# Altium PCB novena_evt1_a.PcbDoc (part 5 of 12) (continued)
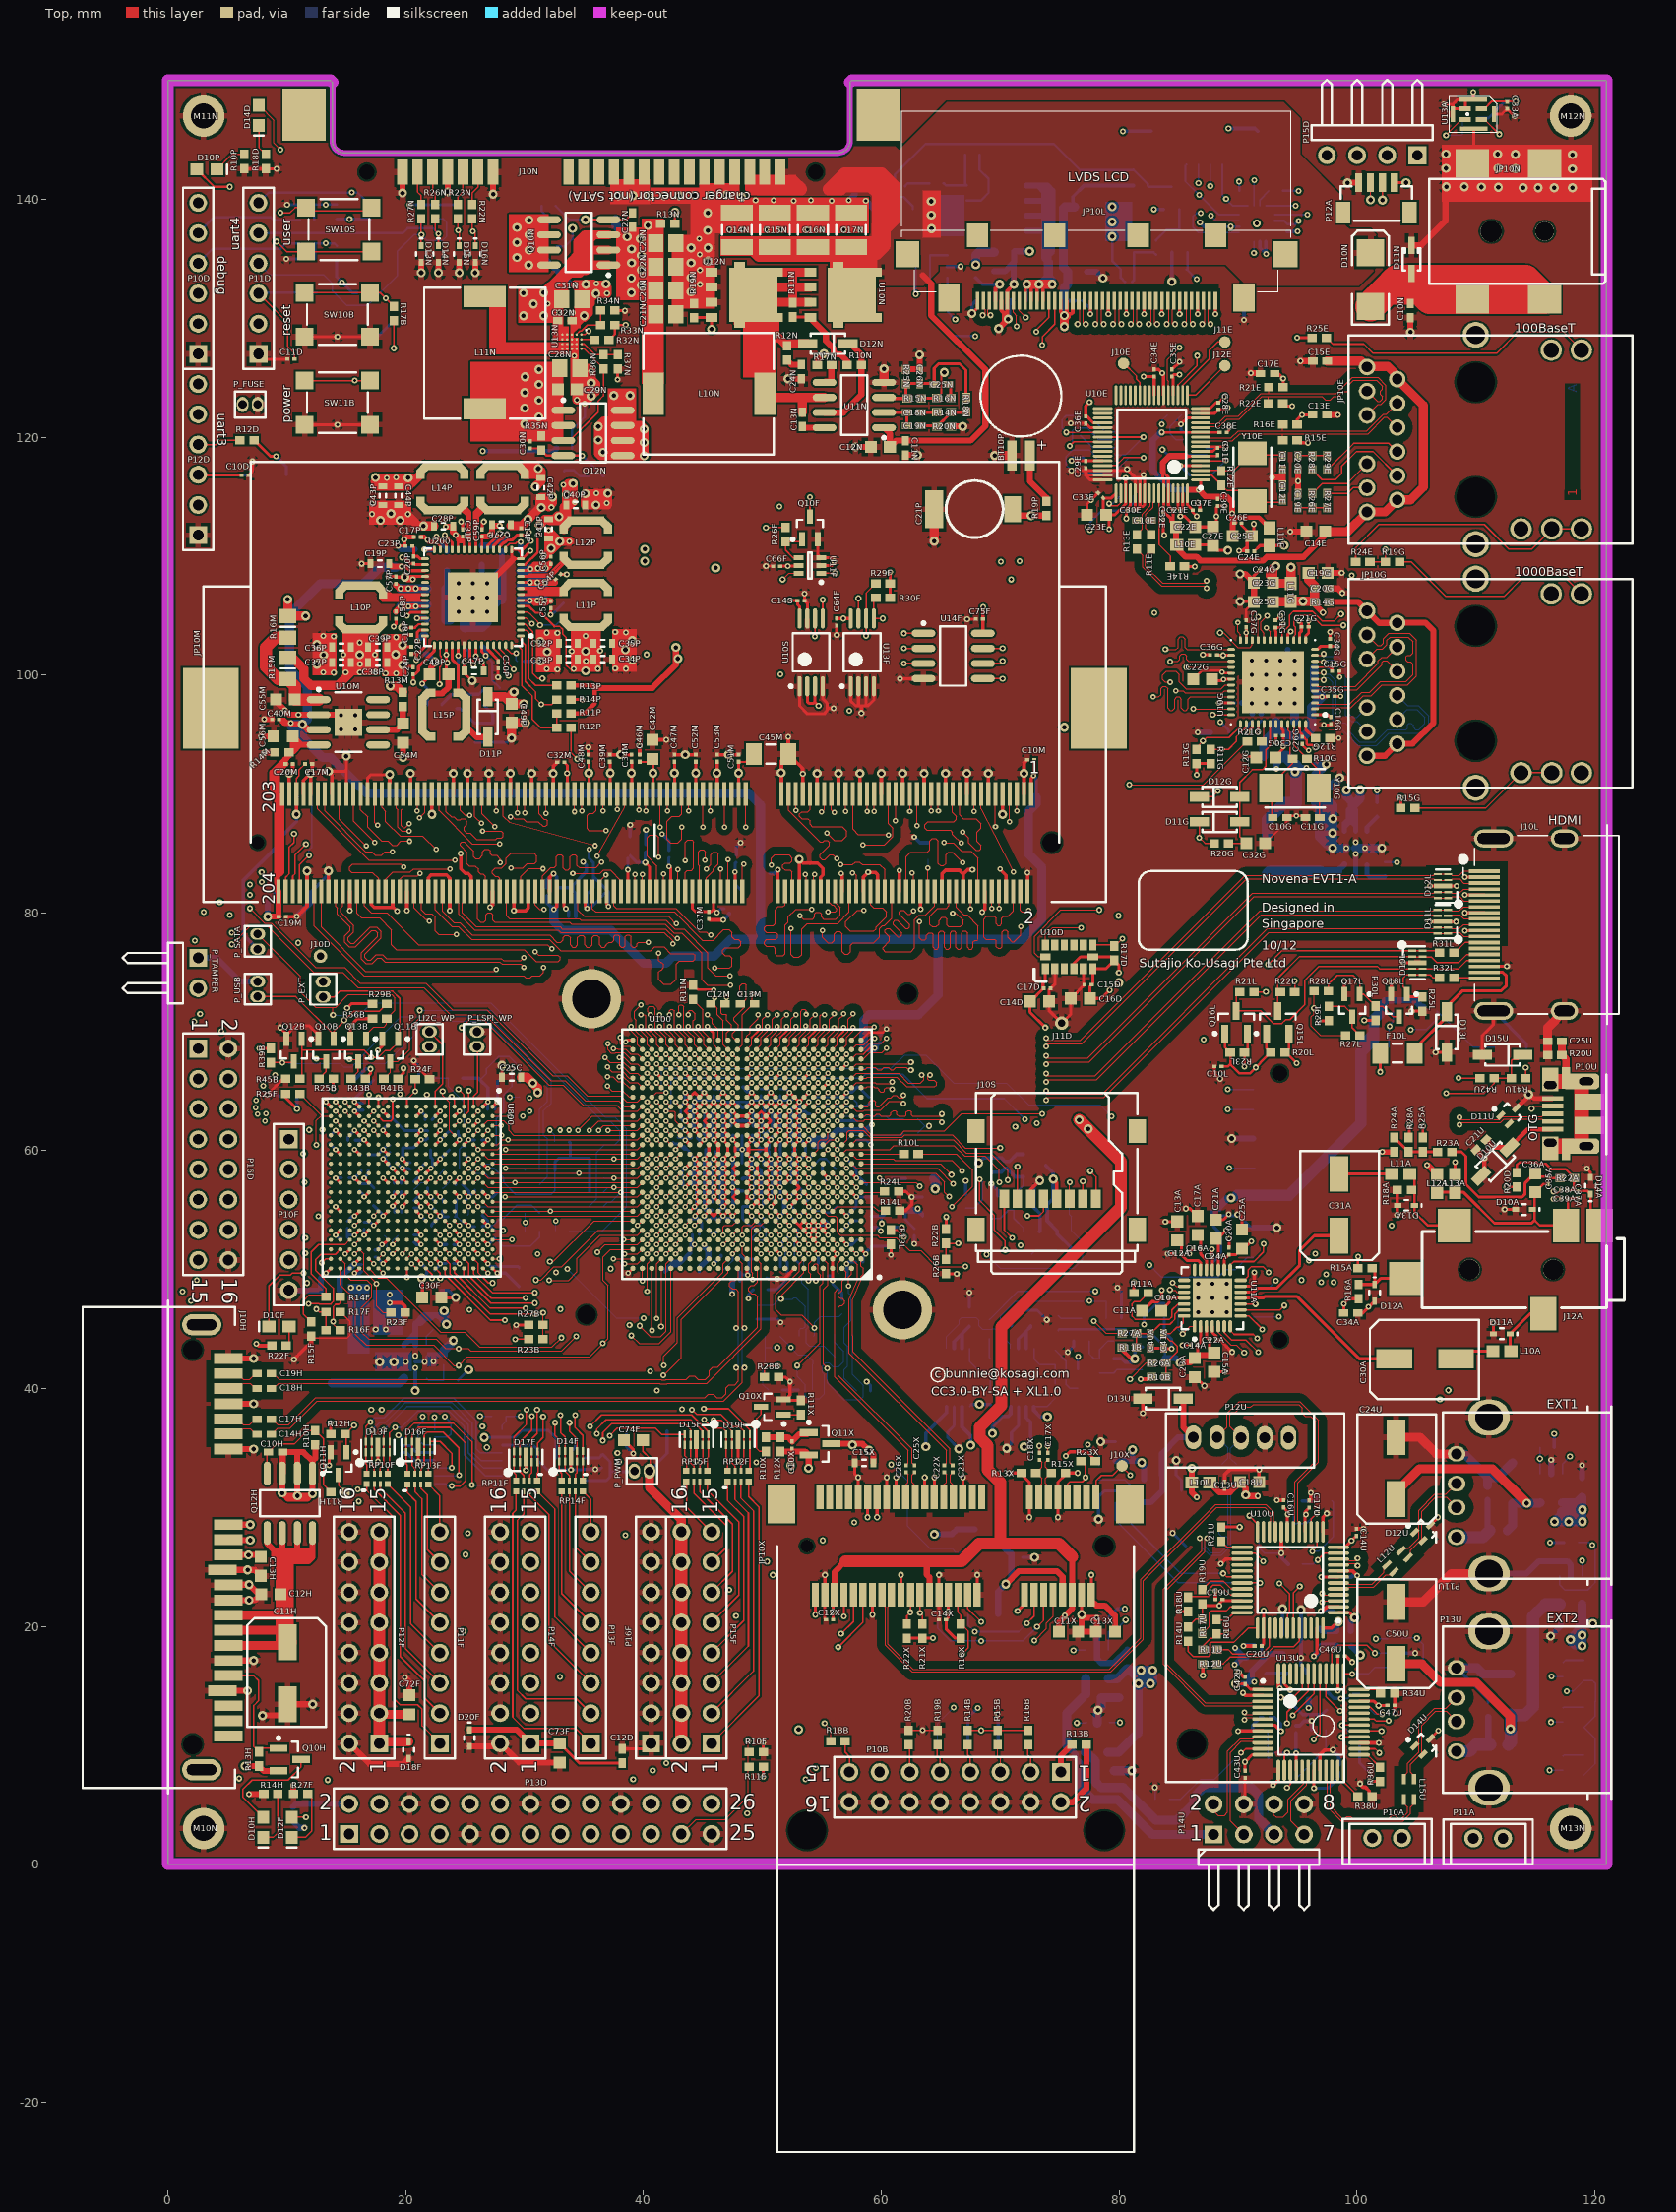
[diagram p0: Top view]
## Nets (pads, with @x,y where several pads share a name; then routed paths per layer and width w, separated by ;. In a path a pad name is that pad's centre, name@x,y a point inside that pad or via, vN(x,y) a via of type N, cw(c..) or ccw(c..) an arc to the next point about the centre after c; other vN are vias at no path point) (continued)
DDR3_D42: JP10M.157 U100.AB21 | length 40.8
  Top w0.096: JP10M.157@23.402,90.014 23.402,88.503 23.85,88.055 24.07,88.055 24.297,87.828 24.588,87.828 24.662,87.902 24.953,87.902 25.147,87.708 25.147,87.417 24.922,87.192 24.922,86.902 25.116,86.708 25.417,86.708 25.975,86.15 27.575,86.15 27.7,86.275 28.05,86.275 28.175,86.4 28.175,86.7 28.021,86.854 v2(26.474,86.854) ; v2(41.9,67.3) U100.AB21@42.3,66.9
  L4 w0.096: v2(26.474,86.854) 26.474,86.067 27.541,85 27.541,83.409 31.65,79.3 36.746,79.3 36.964,79.082 36.964,78.701 40.19,75.475 40.19,72.071 39.987,71.868 39.656,71.868 39.617,71.829 39.614,71.829 39.377,71.592 39.377,71.131 39.58,70.928 39.91,70.928 40.19,70.649 40.19,70.192 41.511,68.871 41.511,67.931 41.9,67.542 v2(41.9,67.3)
DDR3_D43: JP10M.159 U100.AA20 | length 40.9
  Top w0.096: 22.802,88.556 22.802,88.596 ; JP10M.159@22.802,90.014 22.802,88.596 ; v2(27.922,85.813) 25.585,85.813 22.802,88.596 ; v2(42.7,66.5) U100.AA20@43.1,66.1
  L4 w0.096: v2(27.922,85.813) 31.935,81.799 38.101,81.799 40.075,79.825 42.952,79.825 44.975,77.802 44.975,70.375 43.919,68.31 43.919,67.98 43.658,67.719 43.382,67.719 43.343,67.681 43.342,67.681 43.119,67.458 43.119,66.919 v2(42.7,66.5)
DDR3_D44: JP10M.146 U100.AD21 | length 40.7
  Top w0.096: JP10M.146@26.702,81.814 26.702,83.05 26.477,83.275 26.301,83.275 26.125,83.451 26.125,83.675 25.85,83.95 25.325,83.95 25.125,84.15 25.125,85.1 24.575,85.65 24.575,85.85 24.7,85.975 24.925,85.975 25.725,85.175 25.725,84.7 25.875,84.55 26.2,84.55 26.475,84.825 26.475,85.15 26.675,85.35 26.95,85.35 27.1,85.2 27.1,84.95 27.225,84.825 27.65,84.825 27.947,84.528 v2(27.947,84.212) ; v2(41.372,70.432) 41.372,70.051 41.9,69.523 41.9,68.9 U100.AD21@42.3,68.5
  L4 w0.096: v2(27.947,84.212) 27.947,83.933 30.995,80.885 34.144,80.885 34.289,80.74 34.289,79.861 34.425,79.725 34.65,79.725 34.772,79.847 34.772,80.74 34.916,80.885 36.04,80.885 37.675,79.25 37.675,78.991 37.49,78.806 37.49,78.601 37.627,78.464 37.831,78.464 38.201,78.834 38.405,78.834 38.542,78.697 38.542,78.493 38.173,78.123 38.173,77.918 38.309,77.782 38.514,77.782 38.883,78.151 39.088,78.151 39.3,77.939 40.525,77.939 40.825,77.639 40.825,71.893 40.953,71.765 40.953,71.206 41.372,70.787 v2(41.372,70.432)
DDR3_D45: JP10M.148 U100.Y20 | length 40.7
  Top w0.096: JP10M.148@26.1,81.8 26.023,81.723 26.023,79.452 26.275,79.2 26.567,79.2 26.742,79.375 26.742,79.838 26.917,80.013 27.151,80.013 27.326,79.838 27.326,79.375 27.502,79.2 33.8,79.2 33.95,79.05 41.796,79.05 42.546,78.3 43.217,78.3 44.925,76.592 44.925,74.35 45.375,73.9 v2(47.325,73.9) ; v2(42.7,65.7) U100.Y20@43.1,65.3
  L4 w0.096: v2(42.7,65.7) 43.098,65.302 43.678,65.302 43.919,65.543 43.919,65.858 44.18,66.119 44.458,66.119 44.711,66.372 44.711,66.661 44.969,66.919 45.274,66.919 45.498,67.144 45.498,68.287 47.375,70.163 47.375,73.85 v2(47.325,73.9)
DDR3_D46: JP10M.158 U100.AC21 | length 40.7
  Top w0.096: JP10M.158@23.102,81.814 23.102,80.117 24.035,79.183 24.543,79.183 25.602,78.125 32.127,78.125 32.719,77.532 33.055,77.532 33.238,77.715 33.238,77.932 33.42,78.114 33.664,78.114 33.847,77.932 33.847,77.304 34.03,77.121 34.274,77.121 34.457,77.304 34.457,77.932 34.64,78.114 34.884,78.114 35.066,77.932 35.066,77.304 35.249,77.121 35.493,77.121 35.676,77.304 35.676,77.932 35.859,78.114 36.103,78.114 36.286,77.932 36.286,77.304 36.468,77.121 36.712,77.121 36.895,77.304 36.895,77.349 37.078,77.532 37.359,77.532 37.503,77.677 37.503,77.994 37.648,78.139 37.841,78.139 37.986,77.994 37.986,77.242 38.131,77.097 38.324,77.097 38.469,77.242 38.469,77.994 38.613,78.139 38.806,78.139 38.951,77.994 38.951,77.242 39.096,77.097 39.289,77.097 39.434,77.242 39.434,77.387 39.578,77.532 v2(40.393,77.532) ; v2(41.9,68.1) U100.AC21@42.3,67.7
  L4 w0.096: v2(40.393,77.532) 40.52,77.405 40.52,71.97 40.19,71.639 40.19,71.106 40.368,70.928 40.698,70.928 40.977,70.649 40.977,70.09 41.142,69.925 42.336,69.925 42.4,69.861 42.4,69.658 42.323,69.582 42.019,69.582 41.917,69.48 41.917,69.15 42.298,68.769 42.298,68.227 42.171,68.1 v2(41.9,68.1)
DDR3_D47: JP10M.160 U100.AE21 | length 40.7
  Top w0.096: JP10M.160@22.502,81.814 22.502,80.26 23.908,78.853 24.442,78.853 25.545,77.75 32.075,77.75 33.029,76.796 40.596,76.796 40.925,77.125 41.725,77.125 42.275,76.575 44.175,76.575 44.325,76.425 44.325,76.1 44.15,75.925 43,75.925 42.75,75.675 42.75,74.425 42.325,74 41.675,74 41.282,74.393 41.282,75.028 41.465,75.211 41.516,75.211 41.699,75.393 41.699,75.637 41.516,75.82 41.465,75.82 41.282,76.003 v2(41.282,76.592) ; v2(41.372,71.448) 41.777,71.042 41.777,70.043 42.3,69.52 U100.AE21@42.3,69.3
  L4 w0.096: v2(41.282,76.592) 41.282,71.97 41.372,71.88 v2(41.372,71.448)
DDR3_D48: JP10M.163 U100.AC22 | length 36.6
  Top w0.096: v2(21.14,87.997) 21.165,87.997 21.602,88.434 JP10M.163@21.602,90.014 ; v2(41.1,68.1) U100.AC22@41.5,67.7
  L3 w0.096: v2(21.14,87.997) 20.147,87.997 19.8,87.65 19.8,84.638 20.352,84.085 20.352,83.247 22.46,81.139 23.502,81.139 26.741,77.9 26.816,77.9 30.664,74.052 31.681,74.052 33.052,72.681 33.052,71.919 34.627,70.344 36.913,70.344 37.32,69.938 38.336,69.938 38.945,69.328 38.945,68.972 39.352,68.566 40.634,68.566 v2(41.1,68.1)
DDR3_D49: JP10M.165 U100.AD25 | length 36.7
  Top w0.096: v2(20.95,88.581) 21.002,88.633 JP10M.165@21.002,90.014 ; v2@38.031,69.531 38.031,68.998 38.259,68.769 38.831,68.769 U100.AD25@39.1,68.5
  L3 w0.096: v2(20.95,88.581) 19.946,88.581 19.336,87.972 19.336,83.4 22.867,79.869 22.867,78.802 23.375,78.294 23.375,77.913 28.379,72.909 30.665,72.909 34.195,69.379 35.923,69.379 37.167,68.134 37.65,68.134 38.031,68.515 v2@38.031,69.531
  other v2: 38.049,69.544
DDR3_D50: JP10M.175 U100.AE24 | length 36.7
  Top w0.096: JP10M.175@18.002,90.014 18.002,88.849 18.32,88.53 18.32,87.655 19.525,86.45 21.425,86.45 v2(22.55,85.325) ; v2(39.783,72.274) 39.25,71.741 39.25,71.103 39.377,70.976 39.377,70.043 39.9,69.52 U100.AE24@39.9,69.3
  L3 w0.096: v2@22.537,85.325 22.537,84.187 23.629,83.095 25.61,83.095 26.639,82.066 27.884,82.066 30.538,79.412 35.059,79.412 37.726,76.745 39.123,76.745 39.453,76.415 39.453,72.997 39.783,72.667 v2(39.783,72.274)
DDR3_D51: JP10M.177 U100.AC23 | length 36.7
  Top w0.096: JP10M.177@17.402,90.014 17.402,87.591 v2(17.63,87.362) ; v2(40.3,68.1) U100.AC23@40.7,67.7
  L3 w0.096: v2(17.63,87.362) 18.15,86.842 18.15,84.075 22.537,79.688 22.537,78.675 23.019,78.193 23.019,77.836 28.315,72.541 30.577,72.541 31.554,71.564 ; 31.554,71.563 34.043,69.074 36.634,67.423 38.285,67.423 38.962,68.1 v2(40.3,68.1)
DDR3_D52: JP10M.164 U100.AC24 | length 36.7
  Top w0.096: JP10M.164@21.302,81.814 21.302,80.266 21.648,79.92 22.205,79.92 22.475,79.65 22.475,78.45 22.758,78.167 v2(24.264,78.167) ; v2(37.472,68.591) 37.777,68.591 37.853,68.515 38.491,68.515 38.906,68.1 39.5,68.1 U100.AC24@39.9,67.7
  L3 w0.096: v2(24.264,78.167) 24.264,78.536 23.775,79.025 23.775,79.15 24.05,79.425 24.65,79.425 25.5,78.575 25.5,77.967 25.781,77.687 25.781,77.482 25.338,77.039 25.338,76.834 25.474,76.698 25.679,76.698 26.533,77.552 26.738,77.552 26.875,77.416 26.875,77.211 26.02,76.356 26.02,76.152 26.157,76.015 26.361,76.015 26.907,76.56 27.216,76.87 27.421,76.87 27.557,76.733 27.557,76.528 27.248,76.219 26.893,75.864 26.893,75.66 27.03,75.523 27.234,75.523 27.898,76.187 28.103,76.187 28.24,76.051 28.24,75.846 28.033,75.639 28.033,75.434 28.582,74.885 29.04,74.885 30.279,73.646 31.63,73.646 32.697,72.579 32.697,71.817 34.475,70.039 36.461,70.039 37.472,69.028 v2(37.472,68.591)
DDR3_D53: JP10M.166 U100.AB22 | length 36.6
  Top w0.096: JP10M.166@20.702,81.814 20.702,80.408 21.648,79.463 21.826,79.463 v2(21.978,79.31) ; v2(41.1,67.3) U100.AB22@41.5,66.9
  L3 w0.096: v2(21.978,79.31) 22.08,79.209 22.08,78.65 22.664,78.066 22.664,77.761 28.277,72.147 29.675,72.147 30.083,71.74 30.33,71.74 30.392,71.801 30.64,71.801 30.805,71.636 30.805,71.388 30.62,71.203 29.971,70.554 29.971,70.306 30.136,70.141 30.384,70.141 31.218,70.975 31.466,70.975 31.631,70.81 31.631,70.562 30.797,69.727 30.797,69.48 30.962,69.314 31.21,69.314 31.859,69.963 32.044,70.149 32.292,70.149 32.457,69.983 32.457,69.735 31.623,68.901 31.623,68.653 31.788,68.488 32.036,68.488 32.561,69.013 32.809,69.013 35.187,66.636 38.336,66.636 38.59,66.89 40.69,66.89 v2(41.1,67.3)
DDR3_D54: JP10M.174 U100.AE22 | length 36.6
  Top w0.096: JP10M.174@18.302,81.814 18.302,82.797 18.93,83.425 20.378,83.425 20.653,83.7 v2(23.725,83.7) ; v2(40.572,71.448) 40.342,71.677 40.342,71.975 40.492,72.125 40.8,72.125 40.977,71.948 40.977,70.043 41.5,69.52 U100.AE22@41.5,69.3
  L3 w0.096: v2(23.725,83.7) 24,83.425 25.737,83.425 26.563,82.599 27.801,82.599 30.531,79.869 36.181,79.869 37.25,78.8 37.25,77.775 37.825,77.2 38.117,77.2 38.517,77.6 38.733,77.6 39.1,77.233 39.492,77.233 39.758,76.967 39.758,73.265 40.317,72.706 40.317,71.703 v2(40.572,71.448)
DDR3_D55: JP10M.176 U100.AC25 | length 36.6
  Top w0.096: JP10M.176@17.702,81.814 17.702,82.883 17.185,83.4 15.45,83.4 15.275,83.575 15.275,83.85 15.525,84.1 19.576,84.1 v2(19.844,83.831) ; v2(36.989,68.972) 36.989,68.49 37.272,68.207 37.631,68.207 37.66,68.236 38.361,68.236 38.897,67.7 U100.AC25@39.1,67.7
  L3 w0.096: v2(19.844,83.831) 19.844,83.323 23.223,79.945 23.223,78.904 23.731,78.396 23.731,78.015 26.283,75.462 26.664,75.462 27.363,74.764 28.201,74.764 29.745,73.22 31.574,73.22 32.316,72.478 32.316,71.741 34.373,69.684 36.278,69.684 v2(36.989,68.972)
DDR3_D56: JP10M.181 U100.AB25 | length 41.9
  Top w0.096: JP10M.181@16.202,90.014 16.202,88.668 16.792,88.077 16.792,87.183 17.953,86.022 18.525,86.022 18.872,85.675 19.253,85.675 19.6,86.022 v2(20.347,86.022) ; v2(36.775,67.828) 37.18,67.423 38.339,67.423 38.862,66.9 U100.AB25@39.1,66.9
  L4 w0.096: v2(20.347,86.022) 26.81,79.56 27.24,79.56 27.95,78.85 27.95,78.419 28.325,78.044 28.325,76.443 29.395,75.373 29.395,75.059 29.532,74.921 29.994,74.921 30.131,74.784 30.131,74.601 29.994,74.464 29.532,74.464 29.395,74.327 29.395,74.144 29.532,74.007 29.994,74.007 30.131,73.87 30.131,73.687 29.994,73.55 29.532,73.55 29.395,73.413 29.395,72.274 29.515,72.154 29.709,72.154 29.784,72.23 29.978,72.23 30.107,72.101 30.107,71.907 29.935,71.734 29.78,71.579 29.78,71.385 29.909,71.256 30.103,71.256 30.431,71.583 30.625,71.583 30.754,71.454 30.754,71.26 30.582,71.088 30.427,70.933 30.427,70.739 30.556,70.609 31.06,70.609 34.297,67.372 36.319,67.372 v2(36.775,67.828)
DDR3_D57: JP10M.183 U100.AA21 | length 41.8
  Top w0.096: JP10M.183@15.602,90.014 15.602,87.7 v2(17.375,85.927) ; v2(41.9,66.5) U100.AA21@42.3,66.1
  L4 w0.096: v2(17.375,85.927) 22.226,79.8 28.252,70.573 33.815,65.01 34.9,65.01 35.165,65.275 35.5,65.275 35.765,65.01 37.435,65.01 38.175,65.75 39.075,65.75 39.65,65.175 41.117,65.175 41.485,65.543 41.485,66.102 41.883,66.5 v2(41.9,66.5)
DDR3_D58: JP10M.191 U100.Y25 | length 41.8
  Top w0.096: JP10M.191@13.2,90 13.2,88.55 16.6,85.15 17.125,85.15 17.425,84.85 17.95,84.85 18.25,85.15 v2(18.875,85.15) ; JP10M.191@13.2,90 JP10M.191@13.202,90.014 ; v2(36.953,66.228) 37.411,66.228 37.817,65.823 38.262,65.823 38.785,65.3 U100.Y25@39.1,65.3
  L4 w0.096: v2(18.875,85.15) 20.125,85.15 22.595,82.68 23.091,82.68 23.256,82.515 23.256,82.267 22.81,81.821 22.81,81.573 22.975,81.408 23.223,81.408 23.421,81.606 23.669,81.606 24.038,81.238 24.038,80.437 24.25,80.225 25.05,80.225 26.275,79 26.275,78.775 26.75,78.3 26.975,78.3 27.363,77.912 27.363,76.415 29.014,74.764 29.014,71.725 34.002,66.737 36.329,66.737 36.838,66.228 v2(36.953,66.228)
DDR3_D59: JP10M.193 U100.AA23 | length 41.8
  Top w0.096: JP10M.193@12.602,90.014 12.602,88.722 16.898,84.425 v2(24.128,84.425) v2@24.153,84.425 ; v2(40.3,66.5) U100.AA23@40.7,66.1
  L4 w0.096: v2@24.153,84.425 32.88,75.698 36.125,75.698 38.075,73.748 38.075,70.274 39.326,69.023 39.326,67.349 40.175,66.5 v2(40.3,66.5)
DDR3_D60: JP10M.180 U100.AB23 | length 41.9
  Top w0.096: JP10M.180@16.502,81.814 16.502,80.57 17.086,79.985 18.415,79.985 21.075,77.325 31.939,77.325 v2(32.29,76.973) ; v2(40.3,67.3) U100.AB23@40.7,66.9
  L4 w0.096: v2(32.29,76.973) 33.498,76.973 33.668,77.143 33.668,78.244 33.874,78.45 34.148,78.45 34.354,78.244 34.354,76.711 34.559,76.505 34.834,76.505 35.04,76.711 35.04,78.244 35.245,78.45 35.52,78.45 35.725,78.244 35.725,77.981 35.931,77.775 36.55,77.775 36.94,77.385 37.13,77.385 37.421,77.385 37.615,77.191 37.615,76.9 37.52,76.805 37.332,76.617 37.332,76.326 37.526,76.132 37.817,76.132 37.859,76.175 38.15,76.175 38.513,75.812 38.513,70.319 39.675,69.157 39.675,68.857 39.908,68.623 39.908,68.245 39.675,68.011 39.675,67.506 39.881,67.3 v2(40.3,67.3)
DDR3_D61: JP10M.182 U100.Y22 | length 41.8
  Top w0.096: JP10M.182@15.902,81.814 15.902,79.945 16.279,79.568 17.783,79.568 18.8,78.551 18.8,77.3 19.203,76.897 29.953,76.897 30.95,75.9 32.825,75.9 32.975,76.05 32.975,76.275 32.8,76.45 31.163,76.45 v2(30.893,76.719) ; v2(41.1,65.7) U100.Y22@41.5,65.3
  L4 w0.096: v2(30.893,76.719) 31.249,76.719 33.078,74.891 33.078,71.69 34.449,70.319 36.731,70.319 38.869,68.181 38.869,66.94 39.707,66.102 40.698,66.102 v2(41.1,65.7)
DDR3_D62: JP10M.192 U100.W25 | length 41.8
  Top w0.096: JP10M.192@12.902,81.814 12.902,78.798 16.606,75.094 27.464,75.094 v2(27.617,75.246) ; v2(36.953,65.428) 37.358,65.023 38.249,65.023 38.772,64.5 U100.W25@39.1,64.5
  L4 w0.096: v2(27.617,75.246) 27.871,75.246 28.633,74.484 28.633,71.171 29.95,69.854 29.95,69.661 29.874,69.585 29.874,69.391 30.004,69.262 30.198,69.262 30.37,69.434 30.527,69.591 30.721,69.591 30.85,69.462 30.85,69.268 30.693,69.111 30.521,68.938 30.521,68.744 30.65,68.615 30.844,68.615 31.017,68.788 31.174,68.945 31.368,68.945 31.497,68.815 31.497,68.621 31.167,68.292 31.167,68.098 31.297,67.969 31.491,67.969 31.82,68.298 32.014,68.298 32.144,68.169 32.144,67.975 31.986,67.818 31.814,67.645 31.814,67.451 31.943,67.322 32.137,67.322 32.31,67.494 32.467,67.651 32.661,67.651 32.79,67.522 32.79,67.328 32.687,67.225 32.687,66.963 33.596,66.054 36.25,66.054 36.876,65.428 v2(36.953,65.428)
DDR3_D63: JP10M.194 U100.Y23 | length 41.8
  Top w0.096: JP10M.194@12.302,81.814 12.302,78.873 16.462,74.713 29.931,74.713 30.105,74.539 30.466,74.539 30.64,74.713 31.313,74.713 31.605,75.005 v2(31.605,75.399) ; v2(40.3,65.7) U100.Y23@40.7,65.3
  L4 w0.096: v2(31.605,75.399) 31.643,75.36 32.115,75.36 32.65,74.825 32.65,74.4 32.05,73.8 32.05,73.602 32.41,73.242 32.552,73.242 32.671,73.123 32.671,72.955 32.552,72.836 32.41,72.836 32.29,72.717 32.29,72.548 32.41,72.429 32.552,72.429 32.671,72.31 32.671,71.254 34.05,69.875 36.747,69.875 38.539,68.083 38.539,66.737 39.576,65.7 v2(40.3,65.7)
DDR3_DM0: JP10M.11 U100.AC3 | length 32.7
  Top w0.096: U100.AC3@56.7,67.7 v2(57.1,68.1) ; JP10M.11@69.602,90.014 69.603,90.013 v2(69.603,87.235) v2@69.603,87.21
  L7 w0.096: v2(57.1,68.1) 57.1,68.673 57.222,68.795 57.222,72.111 58.681,73.57 59.468,73.57 62.362,76.463 62.713,76.463 62.937,76.687 62.937,77.038 63.263,77.364 63.431,77.364 63.872,76.923 64.041,76.923 64.16,77.042 64.16,77.211 63.719,77.652 63.719,77.82 63.838,77.939 64.006,77.939 64.447,77.498 64.616,77.498 64.735,77.617 64.735,77.786 64.294,78.227 64.294,78.395 64.413,78.514 64.581,78.514 65.022,78.073 65.35,78.073 67.073,79.797 67.575,79.797 69.578,81.799 69.578,87.184 v2@69.603,87.21
DDR3_DM1: JP10M.28 U100.AC6 | length 36.1
  Top w0.096: U100.AC6@54.3,67.7 v2(54.7,68.1) ; v2(62.694,80.174) 62.404,79.884 62.199,79.884 61.865,80.218 61.661,80.218 61.524,80.081 61.524,79.877 62.397,79.004 62.397,78.799 62.261,78.662 62.056,78.662 61.351,79.368 61.146,79.368 61.01,79.231 61.01,79.026 61.278,78.758 61.715,78.321 61.715,78.116 61.578,77.98 61.373,77.98 60.937,78.416 60.666,78.687 60.461,78.687 60.325,78.551 60.325,78.346 60.493,78.178 60.7,77.971 60.7,77.625 60.15,77.075 60.15,76.925 60.325,76.75 62.5,76.75 62.8,77.05 62.8,79.425 63.15,79.775 63.718,79.775 64.502,80.559 JP10M.28@64.502,81.814
  L3 w0.096: v2(54.7,68.1) 54.7,68.979 54.846,69.125 54.846,71.817 55.582,72.554 57.868,72.554 62.44,77.126 62.44,78.675 62.694,78.929 v2(62.694,80.174)
DDR3_DM2: JP10M.46 U100.AB8 | length 31.5
  Top w0.096: U100.AB8@52.7,66.9 v2(53.1,67.3) ; v2(58.529,80.225) 57.975,80.225 57,79.25 57,78.85 57.375,78.475 59.375,78.475 59.548,78.648 59.548,78.804 59.975,79.231 59.981,79.231 60.425,79.675 60.425,80.075 60.1,80.4 59.377,80.4 59.102,80.675 JP10M.46@59.102,81.814
  L4 w0.096: v2(53.1,67.3) 53.1,67.517 52.719,67.898 52.719,68.279 52.433,68.566 52.433,68.927 52.552,69.046 54.218,69.046 54.338,69.165 54.338,69.333 54.218,69.452 53.558,69.452 53.438,69.572 53.438,69.971 53.319,70.09 53.151,70.09 53.032,69.971 53.032,69.572 52.913,69.452 52.552,69.452 52.433,69.572 52.433,71.582 52.229,71.785 52.229,72.605 52.927,73.303 52.927,74.304 53.361,74.738 54.863,74.738 55.785,75.66 55.785,77.075 58.529,79.818 v2(58.529,80.225)
DDR3_DM3: JP10M.63 U100.AE10 | length 31.4
  Top w0.096: U100.AE10@51.1,69.3 51.1,69.52 51.623,70.043 51.623,71.042 v2(52.028,71.448) ; JP10M.63@54.002,90.014 54.002,88.677 53.827,88.501 53.302,88.501 53.127,88.326 53.127,88.092 53.302,87.917 53.827,87.917 54.002,87.742 54.002,87.448 54.2,87.25 56.7,87.25 57.1,86.85 57.1,86.475 56.725,86.1 56.041,86.1 v2(55.439,86.702)
  L3 w0.096: v2(52.028,71.448) 52.028,72.2 54.16,74.332 54.16,75.367 53.985,75.542 53.629,75.542 53.454,75.717 53.454,75.951 53.629,76.126 53.985,76.126 54.16,76.302 54.16,76.535 53.985,76.71 53.629,76.71 53.454,76.886 53.454,77.119 53.629,77.295 53.985,77.295 54.16,77.47 54.16,77.761 54.592,78.193 54.592,80.267 54.825,80.5 54.825,81.606 54.675,81.756 54.469,81.756 54.375,81.85 54.375,81.995 55.455,83.075 55.455,86.702 v2(55.439,86.702)
DDR3_DM4: JP10M.136 U100.AB18 | length 39
  Top w0.096: JP10M.136@29.702,81.814 29.702,83.046 30.36,83.704 v2(31.554,83.704) ; v2(44.3,67.3) U100.AB18@44.7,66.9
  L3 w0.096: v2(31.554,83.704) 32.117,83.704 32.292,83.88 32.292,84.738 32.467,84.914 32.701,84.914 32.876,84.738 32.876,83.169 33.052,82.993 33.285,82.993 33.46,83.169 33.46,83.529 33.636,83.704 35.852,83.704 36,83.556 36.997,83.556 37.003,83.55 37.15,83.55 40.221,80.479 42.563,80.479 44.508,78.533 44.508,75.957 44.685,75.78 44.685,72.165 44.99,71.86 44.99,70.004 45.244,69.75 45.244,69.581 45.125,69.462 44.64,69.462 44.521,69.581 44.521,69.768 44.402,69.887 44.234,69.887 44.115,69.768 44.115,69.581 43.873,69.343 43.873,69.175 43.992,69.056 45.125,69.056 45.244,68.937 45.244,68.769 45.125,68.65 44.805,68.65 44.686,68.53 44.686,67.855 44.533,67.702 44.025,67.702 43.886,67.563 43.886,66.978 43.974,66.89 44.203,66.89 44.3,66.987 v2(44.3,67.3)
DDR3_DM5: JP10M.153 U100.AC20 | length 40.7
  Top w0.096: JP10M.153@24.602,90.014 24.602,88.599 25.001,88.2 v2(25.382,88.2) ; v2(42.7,68.1) U100.AC20@43.1,67.7
  L4 w0.096: v2(25.382,88.2) 25.382,86.422 27.033,84.771 27.033,83.057 29.827,80.263 29.827,79.869 30.944,78.751 31.773,78.751 31.949,78.576 31.949,78.337 32.124,78.162 32.358,78.162 32.533,78.337 32.533,78.576 32.708,78.751 36.481,78.751 39.4,75.833 39.4,75.608 39.575,75.433 39.713,75.433 39.888,75.258 39.888,75.024 39.713,74.849 38.99,74.849 38.815,74.673 38.815,74.44 38.99,74.264 39.713,74.264 39.888,74.089 39.888,73.856 39.713,73.68 38.99,73.68 38.815,73.505 38.815,73.271 38.99,73.096 39.225,73.096 39.4,72.921 39.4,72.704 39.047,72.351 39.047,71.004 39.377,70.674 39.377,70.217 40.698,68.896 40.698,67.829 40.825,67.702 41.282,67.702 41.511,67.474 41.511,67.093 41.688,66.915 42.171,66.915 42.298,67.042 42.298,67.626 42.7,68.028 v2(42.7,68.1)
DDR3_DM6: JP10M.170 U100.AD24 | length 36.6
  Top w0.096: JP10M.170@19.502,81.814 19.502,82.803 19.794,83.095 20.987,83.095 v2(21.191,83.298) ; v2(38.972,70.432) 38.972,70.051 39.5,69.523 39.5,68.9 U100.AD24@39.9,68.5
  L3 w0.096: v2(21.191,83.298) 21.191,82.892 22.588,81.495 23.604,81.495 25.432,79.666 25.534,79.666 29.395,75.805 29.769,75.805 ; 29.77,75.806 30.086,75.806 ; 30.087,75.805 30.335,75.805 31.122,75.018 34.678,75.018 34.907,75.246 37.079,75.246 37.98,74.345 37.98,71.073 37.861,70.954 37.6,70.954 37.475,70.829 37.475,70.475 37.65,70.3 38.4,70.3 38.687,70.013 ; 38.688,70.012 39.25,69.45 39.25,69.099 39.453,68.896 40.291,68.896 40.473,69.077 40.473,69.512 40.25,69.734 39.656,69.734 38.972,70.419 v2(38.972,70.432)
DDR3_DM7: JP10M.187 U100.Y21 | length 41.9
  Top w0.096: JP10M.187@14.402,90.014 14.402,87.882 v2@16.662,85.622 ; v2(41.9,65.7) U100.Y21@42.3,65.3
  L4 w0.096: v2@16.662,85.622 27.871,70.528 33.698,64.7 38.151,64.7 38.34,64.889 38.838,64.889 39.027,64.7 41.15,64.7 41.9,65.45 v2(41.9,65.7)
  other v2: 16.687,85.647
DDR3_DQS0_N: JP10M.10 U100.AD3 | length 32.7
  Top w0.083: U100.AD3@56.7,68.5 57.1,68.9 57.1,69.523 57.628,70.051 v2@57.628,70.432 ; v2(69.902,80.371) JP10M.10@69.902,81.814
  L7 w0.089: v2@57.628,70.382 57.998,70.752 58.432,70.752 58.88,71.2 58.88,72.663 59.087,72.87 59.313,72.87 59.495,72.688 59.495,72.305 59.93,71.87 60.462,71.87 60.95,72.358 60.95,73.883 61.792,74.725 62.5,74.725 63.675,73.55 64.425,73.55 65,74.125 65,74.767 64.03,75.737 64.03,76.038 64.637,76.645 64.863,76.645 66.233,75.275 67.025,75.275 67.53,75.78 67.53,76.562 66.405,77.687 66.405,78.188 66.787,78.57 67.205,78.57 68.25,77.525 69.175,77.525 69.75,78.1 69.75,80.075 69.902,80.227 v2(69.902,80.371)
  other v2: 57.628,70.375
DDR3_DQS0_P: JP10M.12 U100.AE3 | length 32.7
  Top w0.083: U100.AE3@56.7,69.3 56.7,69.52 57.223,70.043 57.223,71.042 v2@57.628,71.448 ; v2(69.302,80.373) JP10M.12@69.302,81.814
  L7 w0.089: v2@57.628,71.448 57.994,71.082 58.296,71.082 58.55,71.336 58.55,71.638 58.473,71.715 58.473,72.003 58.55,72.08 58.55,72.8 58.95,73.2 59.45,73.2 59.825,72.825 59.825,72.442 60.067,72.2 60.325,72.2 60.62,72.495 60.62,74.02 61.655,75.055 62.7,75.055 63.875,73.88 64.288,73.88 64.67,74.262 64.67,74.63 63.7,75.6 63.7,76.175 64.5,76.975 65,76.975 66.37,75.605 66.888,75.605 67.2,75.917 67.2,76.425 66.075,77.55 66.075,78.325 66.65,78.9 67.342,78.9 68.367,77.875 69.058,77.875 69.42,78.237 69.42,78.73 69.1,79.05 69.1,79.4 69.42,79.72 69.42,79.725 ; v2(69.302,80.373) 69.302,80.198 69.425,80.075 69.425,79.725
  other v2: 57.628,71.5
DDR3_DQS1_N: JP10M.27 U100.AE6 | length 36.1
  Top w0.083: U100.AE6@54.3,69.3 54.3,69.52 54.841,70.061 54.841,71.366 54.923,71.448 v2(55.228,71.448) ; v2(64.802,88.556) JP10M.27@64.802,90.014
  L3 w0.089: v2(55.228,71.448) 55.228,71.175 55.324,71.079 56.181,71.079 56.182,71.08 56.675,71.08 56.676,71.079 56.981,71.079 56.982,71.08 57.475,71.08 57.476,71.079 57.781,71.079 57.782,71.08 58.218,71.08 58.609,71.471 58.609,72.095 61.418,74.905 63.513,74.905 64.04,75.432 64.04,80.1 63.8,80.34 63.8,80.66 64.04,80.9 64.04,81.348 64.294,81.602 64.294,82.224 64.626,82.555 64.863,82.555 65.002,82.694 65.002,83.288 64.845,83.445 64.69,83.445 64.294,83.84 64.294,84.377 64.69,84.772 64.845,84.772 65.002,84.929 65.002,85.129 64.845,85.286 64.156,85.286 63.507,85.935 63.507,86.965 63.993,87.451 64.275,87.451 64.45,87.626 64.45,87.95 64.6,88.1 64.975,88.1 65.175,87.9 65.175,87.626 65.35,87.451 65.968,87.451 66.249,87.732 66.249,87.918 66.017,88.15 65.65,88.15 65.45,88.35 65.45,88.717 65.193,88.974 64.874,88.974 64.802,88.902 v2(64.802,88.556)
DDR3_DQS1_P: JP10M.29 U100.AD6 | length 36.1
  Top w0.083: U100.AD6@54.3,68.5 54.7,68.9 54.7,69.523 55.228,70.051 v2(55.228,70.432) ; v2(64.202,88.565) JP10M.29@64.202,90.014
  L3 w0.089: v2(55.228,70.432) 55.547,70.75 58.354,70.75 58.939,71.335 58.939,71.959 61.555,74.575 63.65,74.575 64.371,75.296 64.371,81.211 64.625,81.465 64.625,82.05 64.8,82.225 65,82.225 65.333,82.558 65.333,83.425 64.982,83.775 64.826,83.775 64.625,83.977 64.625,84.24 64.826,84.442 64.982,84.442 65.333,84.792 65.333,85.266 64.982,85.617 64.293,85.617 63.837,86.072 63.837,86.828 64.13,87.121 66.105,87.121 66.579,87.595 66.579,88.055 65.33,89.304 64.454,89.304 64.202,89.052 v2(64.202,88.565)
DDR3_DQS2_N: JP10M.45 U100.AE8 | length 31.4
  Top w0.083: U100.AE8@52.7,69.3 52.7,69.52 53.223,70.043 53.223,71.723 53.375,71.875 53.55,71.875 53.67,71.755 v2(53.67,71.453) ; v2(59.402,88.515) JP10M.45@59.402,90.014
  L4 w0.089: v2@53.703,71.453 53.703,72.394 59.975,78.666 59.975,79.559 59.428,80.106 59.428,87.294 60.35,88.216 60.35,90.358 60.063,90.645 59.537,90.645 59.272,90.38 59.272,90.153 59.525,89.9 59.525,89.653 59.272,89.4 59.272,89.225 59.422,89.075 59.775,89.075 59.95,88.9 59.95,88.675 59.79,88.515 v2(59.402,88.515)
DDR3_DQS2_P: JP10M.47 U100.AD8 | length 31.4
  Top w0.083: U100.AD8@52.7,68.5 53.1,68.9 53.1,69.523 53.628,70.051 v2@53.628,70.432 ; v2(58.802,88.511) JP10M.47@58.802,89.998
  L4 w0.089: v2@53.628,70.432 54.05,70.853 54.05,72.274 60.305,78.53 60.305,79.695 59.758,80.243 59.758,87.157 60.68,88.08 60.68,90.495 60.2,90.975 59.4,90.975 58.942,90.517 58.942,88.777 58.925,88.76 v2@58.925,88.475
  other v2: 53.628,70.482
DDR3_DQS3_N: JP10M.62 U100.AB10 | length 31.4
  Top w0.083: U100.AB10@51.1,66.9 v2(51.5,67.3) ; JP10M.62@54.302,81.814 54.302,83.127 v2(54.4,83.225)
  L3 w0.089: v2(51.5,67.3) 51.084,67.716 51.084,69.244 50.772,69.557 49.375,69.557 48.895,70.037 48.895,71.972 50.2,73.277 50.2,74.67 50.87,75.34 50.87,78.49 51.899,79.519 51.899,84.234 51.663,84.47 51.105,84.47 50.7,84.875 50.7,85.588 51.187,86.075 51.833,86.075 52.608,86.85 53.225,86.85 54.08,85.995 54.08,83.545 v2(54.4,83.225)
DDR3_DQS3_P: JP10M.64 U100.AC10 | length 31.4
  Top w0.083: U100.AC10@51.1,67.7 v2(51.5,68.1) ; v2(53.589,83.225) 53.702,83.112 JP10M.64@53.702,81.814
  L3 w0.089: v2(51.5,68.1) 51.775,68.1 51.9,68.225 51.9,68.525 51.775,68.65 51.5,68.65 51.366,68.784 51.366,68.891 51.55,69.075 51.55,69.245 51.4,69.395 51.4,69.875 51.225,70.05 50.713,70.05 50.55,69.887 49.512,69.887 49.225,70.173 49.225,71.835 50.53,73.141 50.53,74.534 51.2,75.204 51.2,78.353 52.229,79.383 52.229,82.9 52.35,83.021 52.35,83.704 52.229,83.825 52.229,84.371 51.8,84.8 51.242,84.8 51.03,85.012 51.03,85.451 51.324,85.745 51.97,85.745 52.745,86.52 53.088,86.52 53.75,85.858 53.75,84.05 53.525,83.825 53.275,83.825 53.1,83.65 53.1,83.325 53.2,83.225 v2(53.589,83.225)
DDR3_DQS4_N: JP10M.135 U100.AE18 | length 39
  Top w0.083: v2(30.002,88.406) JP10M.135@30.002,90.014 ; v2(43.772,71.448) 43.772,71.697 43.868,71.793 44.051,71.793 44.325,71.519 44.325,71.075 44.177,70.927 44.177,70.065 44.7,69.542 U100.AE18@44.7,69.3
  L3 w0.089: v2(30.002,88.406) 29.871,88.275 29.871,87.743 30.025,87.59 30.025,87.144 30.225,86.944 31.59,86.944 31.984,86.55 31.984,86.017 31.59,85.623 30.225,85.623 30.025,85.422 30.025,84.551 31.837,82.739 37.45,82.739 40.186,80.004 41.217,80.004 42.588,78.633 43.184,78.633 43.619,78.198 43.619,76.333 43.202,75.916 42.737,75.916 42.514,75.693 42.514,75.403 42.737,75.18 43.62,75.18 44,74.8 44,74.175 43.608,73.783 42.737,73.783 42.514,73.559 42.514,73.269 42.737,73.046 43.202,73.046 43.619,72.629 43.619,72.187 43.772,72.034 v2(43.772,71.448)
DDR3_DQS4_P: JP10M.137 U100.AD18 | length 39
  Top w0.083: v2(29.402,88.385) JP10M.137@29.402,90.014 ; v2(43.772,70.432) 43.772,70.039 44.3,69.511 44.3,68.9 U100.AD18@44.7,68.5
  L3 w0.089: v2(29.402,88.385) 29.515,88.272 29.515,87.596 29.695,87.416 29.695,87.007 30.089,86.614 31.453,86.614 31.653,86.413 31.653,86.154 31.453,85.953 30.089,85.953 29.695,85.559 29.695,84.414 31.7,82.409 37.314,82.409 40.049,79.674 41.081,79.674 42.451,78.303 43.047,78.303 43.289,78.061 43.289,76.47 43.065,76.246 42.6,76.246 42.184,75.83 42.184,75.266 42.6,74.849 43.484,74.849 43.67,74.663 43.67,74.345 43.438,74.113 42.6,74.113 42.184,73.696 42.184,73.132 42.6,72.716 43.065,72.716 43.289,72.492 43.289,72.05 43.375,71.964 43.375,70.829 v2(43.772,70.432)
DDR3_DQS5_N: JP10M.152 U100.AE20 | length 40.7
  Top w0.083: JP10M.152@24.902,81.814 24.902,80.943 24.767,80.809 24.767,79.983 25.9,78.85 32.975,78.85 33.175,78.65 41.866,78.65 42.679,77.837 v2(42.857,77.837) ; v2(42.172,71.448) 42.172,71.775 42.297,71.9 42.45,71.9 42.577,71.773 42.577,70.039 43.1,69.516 U100.AE20@43.1,69.3
  L4 w0.089: v2(42.172,71.448) 42.095,71.525 42.095,71.938 42.298,72.141 42.298,73.691 42.583,73.976 42.902,73.976 42.984,73.894 42.984,72.233 43.368,71.849 43.907,71.849 44.279,72.221 44.279,74.719 43.866,75.132 42.368,75.132 42.205,75.295 42.205,75.588 42.32,75.703 43.803,75.703 44.055,75.956 44.055,76.492 43.777,76.77 43.325,76.77 43.212,76.883 43.212,77.638 43.013,77.837 v2(42.857,77.837)